# Altium PCB Bran_Main_Assay_PCB_v2.PcbDoc (part 12 of 15)
Units mil, origin at the board's own origin, x right, y up, seen from the top; angles counter-clockwise.
Board outline 3608.46 x 1899.79 mil, 6 copper layers (TOP, GND1, Singal, POWER, GND2, BOTTOM), stack 31.508 mil thick; 363 components, 288 nets, 1386 pads, 975 vias.
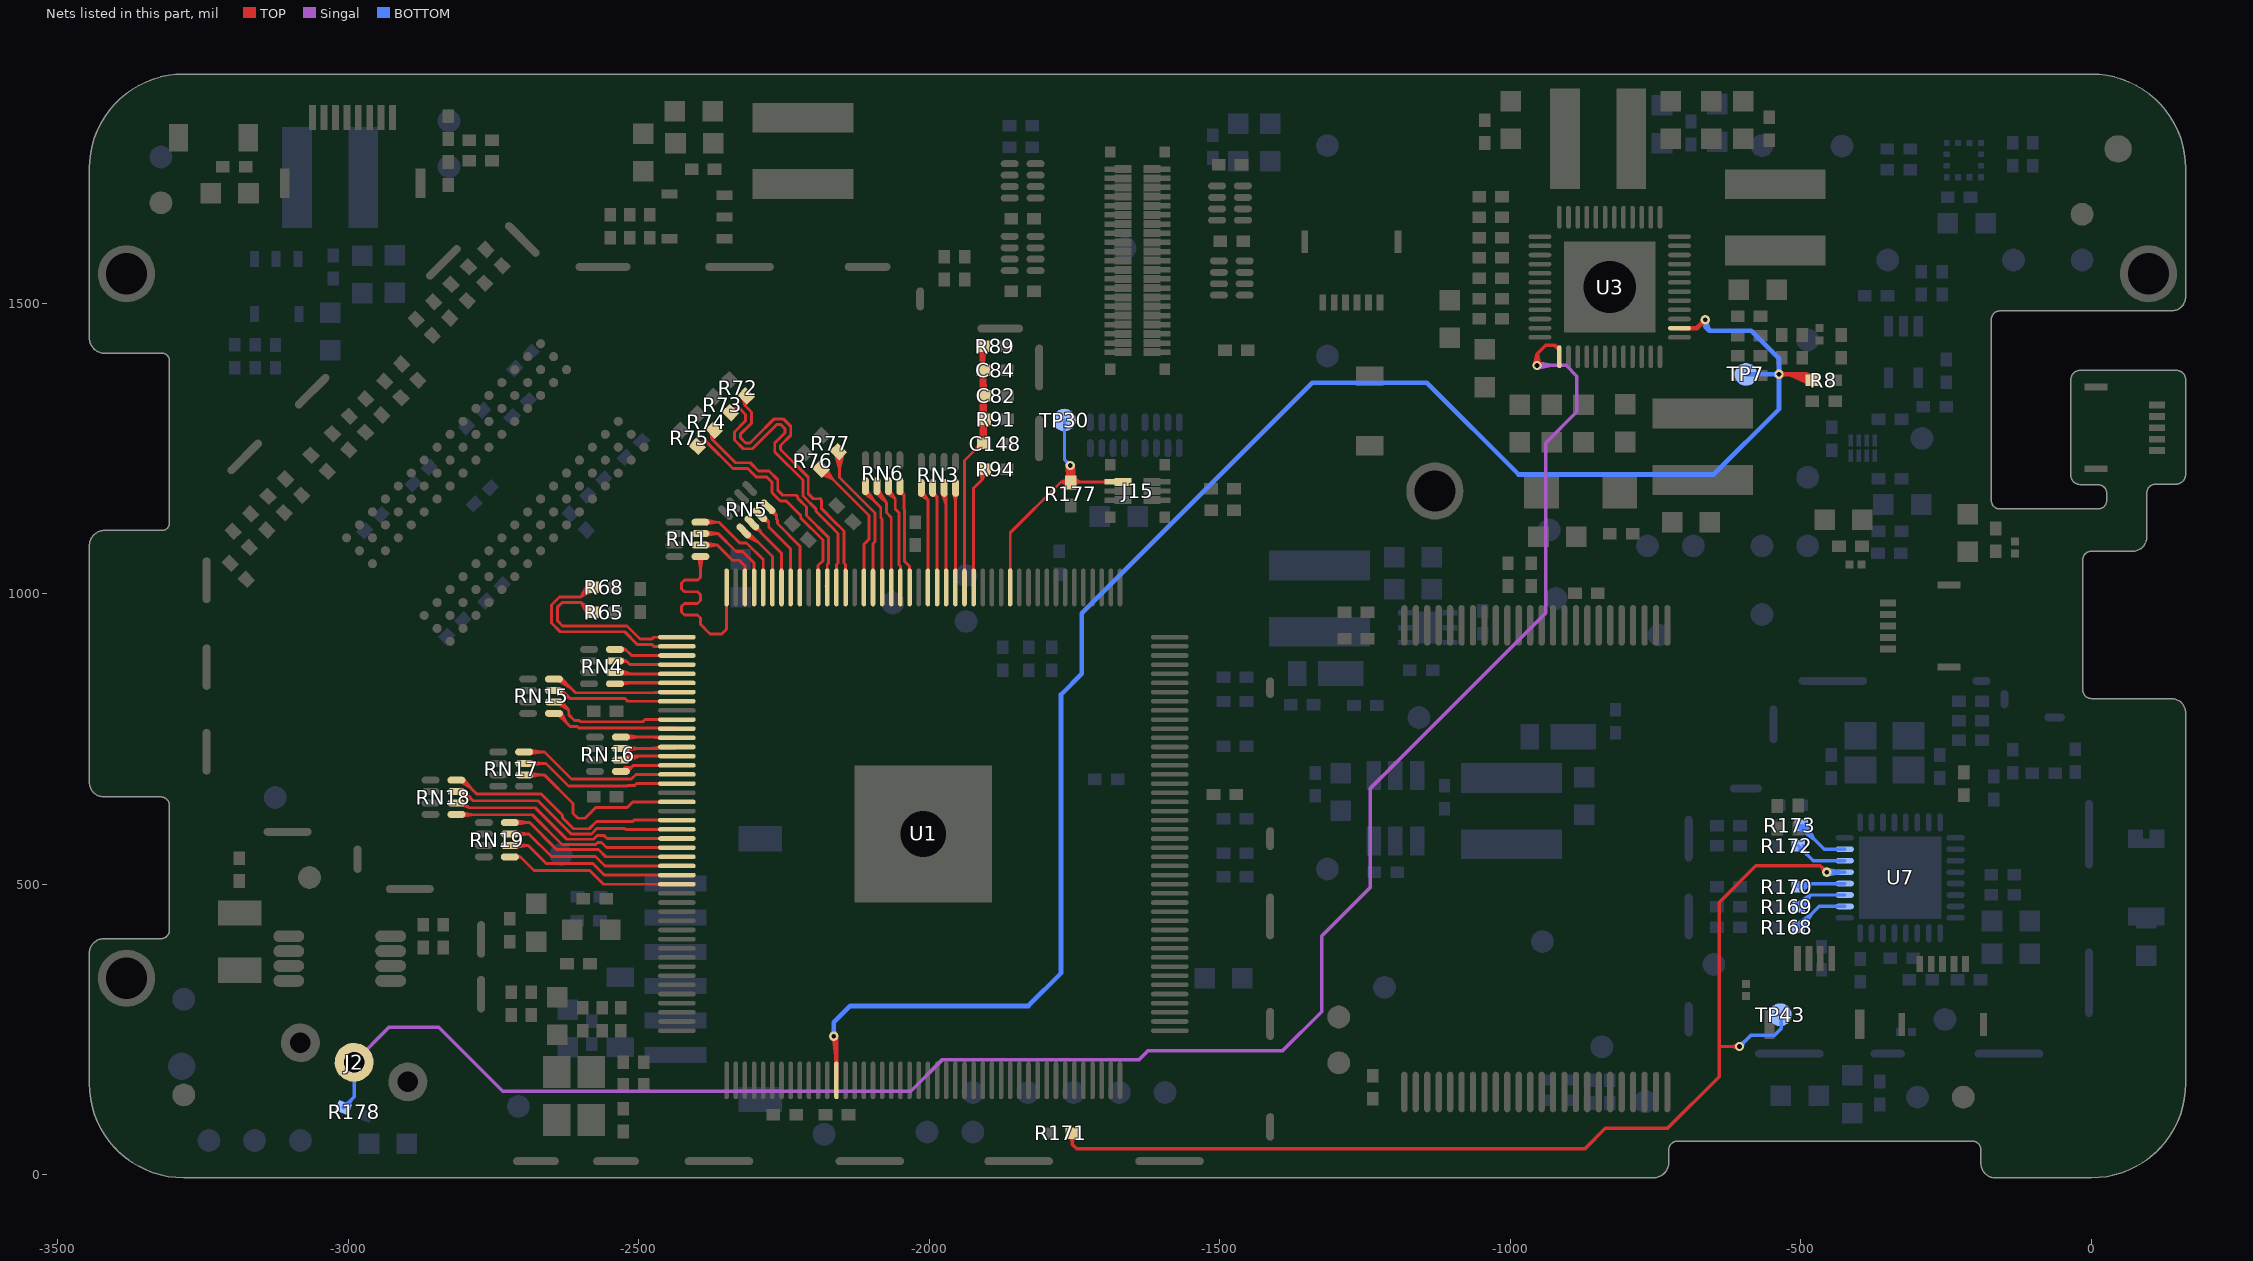
[diagram p16: the nets of this part, all layers, seen from the top]

## Via types
v1: diameter 16, hole 8, TOP to BOTTOM, tented both sides, 431 vias
v2: diameter 18, hole 10, TOP to BOTTOM, tented both sides, 257 vias
v3: diameter 22, hole 12, TOP to BOTTOM, tented both sides, 194 vias
v4: diameter 30, hole 18, TOP to BOTTOM, tented both sides, 69 vias
v5: diameter 24, hole 13, TOP to BOTTOM, tented both sides, 11 vias
v6: diameter 19.68, hole 7.87, TOP to BOTTOM, 9 vias
v7: diameter 22, hole 2, TOP to BOTTOM, tented both sides, 2 vias
v8: diameter 17.99, hole 10, TOP to BOTTOM, tented both sides, 1 vias
v9: diameter 20, hole 10, TOP to BOTTOM, tented both sides, 1 vias

## Nets (pads, with @x,y where several pads share a name; then routed paths per layer and width w, separated by ;. In a path a pad name is that pad's centre, name@x,y a point inside that pad or via, vN(x,y) a via of type N, cw(c..) or ccw(c..) an arc to the next point about the centre after c; other vN are vias at no path point) (continued)
SA1: RN15.7 U1.52 | length 358.9
  TOP w5: RN15.7@-2646.18,833.76 -2631.9,833.76 -2618.02,819.88 ; RN15.7@-2638.55,830.8 -2618.02,819.88 ; RN15.7@-2638.05,830.54 -2626.68,827.58 ; RN15.7@-2636.68,830.26 cw(c-2636.68,810.27) -2622.54,824.41 ; -2482.12,815.27 U1.52@-2463.18,815.27 ; U1.52@-2434.64,815.27 -2519.15,815.27 -2523.76,819.88 -2618.02,819.88 ; -2626.68,827.58 -2636.68,833.76 -2618.02,819.88 ; -2626.68,827.58 -2634.42,836.43 -2618.02,819.88
SA2: RN18.7 U1.66 | length 548.5
  TOP w5: RN18.7@-2814.18,659.76 -2801.27,659.76 -2785.47,643.96 -2673.51,643.96 -2616.35,586.81 -2581.83,586.81 -2572.11,596.52 -2524.58,596.52 -2522.85,594.79 U1.66@-2434.64,594.79 ; RN18.7@-2806.69,656.89 -2786.19,644.68 ; RN18.7@-2806.13,656.58 -2796.34,654.03 ; RN18.7@-2804.68,656.26 cw(c-2804.68,639.58) -2792.88,651.38 ; RN18.7@-2802.27,662.3 -2786.19,644.68 ; RN18.7@-2802.23,662.26 -2796.34,654.03 ; -2482.12,594.79 U1.66@-2463.18,594.79 ; -2796.34,654.03 -2804.68,659.76 -2786.19,644.68
SA3: RN18.8 U1.65 | length 544.1
  TOP w5: RN18.8@-2814.18,679.45 -2802.96,679.45 -2779.47,655.96 -2668.53,655.96 -2631.52,618.95 -2631.52,614.85 -2612.48,595.81 -2585.55,595.81 -2572.84,608.52 -2510.2,608.52 -2508.18,610.54 U1.65@-2434.64,610.54 ; RN18.8@-2806.81,676.68 -2787.79,664.29 ; RN18.8@-2806.27,676.34 -2798.38,674.26 ; RN18.8@-2804.68,675.95 cw(c-2804.68,663.35) -2795.77,672.26 ; RN18.8@-2802.15,681.87 -2787.79,664.29 ; RN18.8@-2801.93,681.61 -2798.38,674.26 ; -2482.12,610.54 U1.65@-2463.18,610.54 ; -2798.38,674.26 -2804.68,679.45 -2787.79,664.29
SA4: RN15.8 U1.51 | length 386.4
  TOP w5: RN15.8@-2646.18,853.45 -2632.5,853.45 -2608.93,829.88 U1.51@-2446.05,829.88 ; RN15.8@-2638.66,850.56 -2616.71,837.67 ; RN15.8@-2638.09,850.25 -2627.41,847.47 ; RN15.8@-2636.68,849.95 cw(c-2636.68,831.41) -2623.57,844.52 ; -2482.14,829.88 -2463.18,831.01 -2467.48,830.13 ; -2469.38,829.88 ccw(c-2469.38,837.2) U1.51@-2464.2,832.03 ; -2627.41,847.47 -2636.68,853.45 -2616.71,837.67 ; -2627.41,847.47 -2634.34,856.05 -2616.71,837.67 ; U1.51@-2446.05,829.88 -2444.92,831.01 U1.51@-2434.64,831.01 U1.51@-2446.05,829.88
SA5: RN18.6 U1.67 | length 515.8
  TOP w5: RN18.6@-2814.18,640.08 -2800.43,640.08 -2792.31,631.96 ; RN18.6@-2806.24,636.95 -2792.31,631.96 ; RN18.6@-2805.97,636.83 -2796.42,634.93 ; RN18.6@-2804.47,636.59 cw(c-2803.54,620.73) -2792.31,631.96 ; RN18.6@-2802.43,642.76 -2792.31,631.96 ; RN18.6@-2802.32,642.67 -2796.42,634.93 ; -2482.12,579.05 U1.67@-2463.18,579.05 ; U1.67@-2434.64,579.05 -2554.66,579.05 -2559.53,583.92 -2571.98,583.92 -2578.1,577.81 -2624.33,577.81 -2678.49,631.96 -2792.31,631.96 ; -2796.42,634.93 -2804.68,640.08 -2792.31,631.96
SA6: RN15.6 U1.54 | length 350.8
  TOP w5: RN15.6@-2646.18,814.08 -2634.59,814.08 -2620.69,800.18 ; RN15.6@-2638.75,811.26 -2620.69,800.18 ; RN15.6@-2638.24,810.95 -2629.93,808.77 ; RN15.6@-2636.68,810.58 cw(c-2636.68,797.09) -2627.14,806.63 ; RN15.6@-2634.17,816.52 -2620.69,800.18 ; RN15.6@-2634,816.33 -2629.93,808.77 ; -2482.12,783.77 U1.54@-2463.18,783.77 ; U1.54@-2434.64,783.77 -2489.65,783.77 -2493.39,780.03 -2600.24,780.03 -2602.37,782.16 -2610.82,782.16 -2620.69,792.03 -2620.69,800.18 ; -2629.93,808.77 -2636.68,814.08 -2620.69,800.18
SA7: RN19.6 U1.71 | length 441.5
  TOP w5: RN19.6@-2722.18,567.08 -2690.59,567.08 -2659.43,535.92 -2579.45,535.92 -2559.58,516.05 U1.71@-2434.64,516.05 ; RN19.6@-2712.39,563.59 -2691.68,567.08 ; RN19.6@-2712.39,570.57 -2691.68,567.08 ; RN19.6@-2711.86,563.68 -2706.42,566.79 ; RN19.6@-2711.86,570.48 -2706.42,567.37 ; RN19.6@-2711.55,563.77 -2706.42,567.37 ; RN19.6@-2711.55,570.39 -2706.42,566.79 ; RN19.6@-2710.2,564.61 cw(c-2704.23,558.63) -2704.23,567.08 cw(c-2704.23,575.53) RN19.6@-2710.2,569.56 ; -2482.12,516.05 U1.71@-2463.18,516.05 ; RN19.6@-2712.68,567.08 -2706.42,567.37 ; RN19.6@-2712.68,567.08 -2706.42,566.79 ; RN19.6@-2712.68,567.08 -2691.68,567.08
SA8: RN15.5 U1.55 | length 368.3
  TOP w5: RN15.5@-2639.29,792.06 -2624.61,778.26 ; RN15.5@-2639.27,792.03 -2630.73,785.27 ; RN15.5@-2633.7,796.24 -2624.61,778.26 ; RN15.5@-2633.48,795.81 -2630.73,785.27 ; RN15.5@-2633.18,794.39 ccw(c-2614.93,794.39) -2627.83,781.49 ; -2482.13,769.08 -2463.18,768.02 -2467.37,768.84 ; -2469.21,769.08 cw(c-2469.21,762) U1.55@-2464.2,767.01 ; U1.55@-2434.64,768.02 -2435.7,769.08 -2603.44,769.08 -2606.52,772.16 -2618.51,772.16 RN15.5@-2637.28,790.93 ; RN15.5@-2637.28,790.93 RN15.5@-2646.18,794.39 -2642.73,790.93 RN15.5@-2637.28,790.93 ; -2630.73,785.27 -2636.68,794.39 -2624.61,778.26
SA9: RN19.8 U1.69 | length 444.9
  TOP w5: RN19.8@-2722.18,606.45 -2687.96,606.45 -2641.31,559.81 -2570.64,559.81 -2570.53,559.92 -2569.49,559.92 -2557.12,547.55 U1.69@-2434.64,547.55 ; RN19.8@-2712.39,602.96 -2691.68,606.45 ; RN19.8@-2712.39,609.94 -2691.68,606.45 ; RN19.8@-2711.86,603.05 -2706.42,606.16 ; RN19.8@-2711.86,609.85 -2706.42,606.74 ; RN19.8@-2711.55,603.14 -2706.42,606.74 ; RN19.8@-2711.55,609.76 -2706.42,606.16 ; RN19.8@-2710.2,603.98 cw(c-2704.23,598) -2704.23,606.45 cw(c-2704.23,614.9) RN19.8@-2710.2,608.93 ; -2482.12,547.55 U1.69@-2463.18,547.55 ; RN19.8@-2712.68,606.45 -2706.42,606.74 ; RN19.8@-2712.68,606.45 -2706.42,606.16 ; RN19.8@-2712.68,606.45 -2691.68,606.45
SA10: RN4.7 U1.48 | length 208.3
  TOP w5: RN4.7@-2541.18,884.76 -2521.93,884.76 ; RN4.7@-2531.05,881.32 -2521.93,884.76 ; RN4.7@-2531.05,888.2 -2521.93,884.76 ; RN4.7@-2530.86,881.36 -2525.42,884.47 ; RN4.7@-2530.86,888.16 -2525.42,885.05 ; RN4.7@-2530.55,881.45 -2525.42,885.05 ; RN4.7@-2530.55,888.07 -2525.42,884.47 ; RN4.7@-2529.2,882.29 cw(c-2523.23,876.31) -2523.23,884.76 cw(c-2523.23,893.21) RN4.7@-2529.2,887.24 ; -2482.12,878.26 U1.48@-2463.18,878.26 ; U1.48@-2434.64,878.26 -2515.43,878.26 -2521.93,884.76 ; RN4.7@-2531.68,884.76 -2525.42,885.05 ; RN4.7@-2531.68,884.76 -2525.42,884.47 ; RN4.7@-2531.68,884.76 -2521.93,884.76
SA11: RN16.8 U1.56 | length 240.7
  TOP w5: RN16.8@-2531.09,753.57 -2435.94,753.57 U1.56@-2434.64,752.27 ; RN16.8@-2521.3,750.08 -2500.59,753.57 ; RN16.8@-2521.3,757.06 -2500.59,753.57 ; RN16.8@-2520.77,750.17 -2515.33,753.28 ; RN16.8@-2520.77,756.97 -2515.33,753.86 ; RN16.8@-2520.46,750.26 -2515.33,753.86 ; RN16.8@-2520.46,756.88 -2515.33,753.28 ; RN16.8@-2519.11,751.1 cw(c-2513.14,745.12) -2513.14,753.57 cw(c-2513.14,762.02) RN16.8@-2519.11,756.05 ; -2482.13,753.57 -2463.18,752.27 -2467.74,753.3 ; -2469.79,753.57 cw(c-2469.79,745.67) U1.56@-2464.2,751.26 ; RN16.8@-2521.59,753.57 -2515.33,753.86 ; RN16.8@-2521.59,753.57 -2515.33,753.28 ; RN16.8@-2521.59,753.57 -2500.59,753.57
SA12: RN4.5 U1.50 | length 170
  TOP w6: RN4.5@-2541.18,845.39 -2539.82,846.76 U1.50@-2434.64,846.76 ; RN4.5@-2529.56,843.27 cw(c-2521.13,834.84) -2521.13,846.76 ; -2524.21,846.36 -2531.68,845.39 -2507.63,846.76 ; -2485.12,846.76 U1.50@-2463.18,846.76
SA13: RN18.5 U1.68 | length 521.8
  TOP w5: RN18.5@-2814.18,620.39 -2813.76,619.96 -2683.47,619.96 -2632.31,568.81 -2574.37,568.81 -2571.26,571.92 -2564.51,571.92 -2555.89,563.3 U1.68@-2434.64,563.3 ; RN18.5@-2804.46,616.9 -2783.67,619.96 ; RN18.5@-2804.32,623.87 -2783.67,619.96 ; RN18.5@-2803.84,616.99 -2797.76,620.3 ; RN18.5@-2803.75,623.77 -2797.76,620.3 ; RN18.5@-2802.2,617.92 cw(c-2797.27,612.98) -2797.27,619.96 ; RN18.5@-2802.2,622.87 ccw(c-2795.19,629.88) -2795.19,619.96 ; -2482.12,563.3 U1.68@-2463.18,563.3 ; -2797.76,620.3 -2804.68,620.39 -2783.67,619.96
SA14: RN16.7 U1.57 | length 247.4
  TOP w5: RN16.7@-2531.09,733.88 -2437.29,733.88 U1.57@-2434.64,736.53 ; RN16.7@-2521.3,730.39 -2500.59,733.88 ; RN16.7@-2521.3,737.37 -2500.59,733.88 ; RN16.7@-2520.77,730.48 -2515.33,733.59 ; RN16.7@-2520.77,737.28 -2515.33,734.17 ; RN16.7@-2520.46,730.57 -2515.33,734.17 ; RN16.7@-2520.46,737.19 -2515.33,733.59 ; RN16.7@-2519.11,731.41 cw(c-2513.14,725.43) -2513.14,733.88 cw(c-2513.14,742.33) RN16.7@-2519.11,736.36 ; -2482.17,733.88 -2463.18,736.53 -2469.81,734.31 ; -2473.05,733.88 ccw(c-2473.05,746.39) U1.57@-2464.2,737.55 ; RN16.7@-2521.59,733.88 -2515.33,734.17 ; RN16.7@-2521.59,733.88 -2515.33,733.59 ; RN16.7@-2521.59,733.88 -2500.59,733.88
SBA0: RN17.6 U1.63 | length 448.3
  TOP w5: RN17.6@-2697.55,688.66 -2663.05,688.66 -2613.52,639.13 -2613.52,622.3 -2605.02,613.81 -2593.01,613.81 -2574.3,632.52 -2520.17,632.52 -2510.65,642.04 U1.63@-2434.64,642.04 ; RN17.6@-2687.76,685.17 -2667.05,688.66 ; RN17.6@-2687.76,692.15 -2667.05,688.66 ; RN17.6@-2687.23,685.26 -2681.79,688.37 ; RN17.6@-2687.23,692.06 -2681.79,688.95 ; RN17.6@-2686.92,685.35 -2681.79,688.95 ; RN17.6@-2686.92,691.97 -2681.79,688.37 ; RN17.6@-2685.57,686.19 cw(c-2679.6,680.21) -2679.6,688.66 cw(c-2679.6,697.11) RN17.6@-2685.57,691.14 ; -2482.12,642.04 U1.63@-2463.18,642.04 ; RN17.6@-2688.05,688.66 -2667.05,688.66 ; RN17.6@-2688.05,688.66 -2681.79,688.95 ; RN17.6@-2688.05,688.66 -2681.79,688.37
SBA1: RN4.6 U1.49 | length 262.4
  TOP w5: RN4.6@-2541.18,865.08 -2538.03,861.92 U1.49@-2451.95,861.92 ; RN4.6@-2530.88,868.49 -2510.41,861.92 ; RN4.6@-2530.39,868.34 -2520.58,862.58 ; RN4.6@-2529.2,867.56 ccw(c-2515.6,881.16) -2515.6,861.92 ; -2482.12,861.92 U1.49@-2463.18,862.51 ; -2468.07,861.92 ccw(c-2468.07,867.4) U1.49@-2464.2,863.53 ; -2520.58,862.58 -2531.68,865.08 -2510.41,861.92 ; -2520.58,862.58 -2531.91,861.59 -2510.41,861.92 ; U1.49@-2451.95,861.92 -2451.36,862.51 U1.49@-2434.64,862.51 U1.49@-2451.95,861.92
SBA2: RN17.7 U1.61 | length 413.5
  TOP w5: RN17.7@-2697.55,708.34 -2659.83,708.34 -2620.99,669.5 -2519.53,669.5 -2518.46,670.57 -2506.94,670.57 -2503.98,673.53 U1.61@-2434.64,673.53 ; RN17.7@-2687.76,704.85 -2667.05,708.34 ; RN17.7@-2687.76,711.83 -2667.05,708.34 ; RN17.7@-2687.23,704.94 -2681.79,708.05 ; RN17.7@-2687.23,711.74 -2681.79,708.63 ; RN17.7@-2686.92,705.03 -2681.79,708.63 ; RN17.7@-2686.92,711.65 -2681.79,708.05 ; RN17.7@-2685.57,705.87 cw(c-2679.6,699.89) -2679.6,708.34 cw(c-2679.6,716.79) RN17.7@-2685.57,710.82 ; -2482.12,673.53 U1.61@-2463.18,673.53 ; RN17.7@-2688.05,708.34 -2667.05,708.34 ; RN17.7@-2688.05,708.34 -2681.79,708.63 ; RN17.7@-2688.05,708.34 -2681.79,708.05
SCAS: RN16.5 U1.59 | length 195.9
  TOP w5: RN16.5@-2531.09,694.51 -2524.42,701.19 ; RN16.5@-2523.26,697.58 -2512.99,701.19 ; RN16.5@-2519.03,692.13 -2512.99,701.19 ; -2482.12,705.03 U1.59@-2463.18,705.03 ; U1.59@-2434.64,705.03 -2509.15,705.03 -2512.99,701.19 ; -2524.42,701.19 RN16.5@-2521.59,694.51 ; -2524.42,701.19 -2518.79,696.61 -2524.42,701.19 ; -2524.42,701.19 -2525.05,693.96 -2524.42,701.19 ; -2524.42,701.19 RN16.5@-2521.59,694.51 ; -2524.42,701.19 -2512.99,701.19 ; RN16.5@-2521.59,694.51 -2512.99,701.19
SCK: R65.2 U1.45 | length 460.1
  TOP w5: -2595.7,981.48 ccw(c-2582.46,994.7) R65.2@-2582.47,975.99 ; -2594.72,980.5 cw(c-2606.56,968.66) R65.2@-2589.81,968.65 ; R65.2@-2588.97,965.22 -2591.82,978.5 ; R65.2@-2588.37,964.27 -2599.14,984.92 ; R65.2@-2582.87,968.65 -2599.14,984.92 ; R65.2@-2578.71,974.96 -2591.82,978.5 ; R65.2@-2578.24,974.65 -2599.14,984.92 ; U1.45@-2463.18,925.5 -2474.29,925.5 ; U1.45@-2434.64,925.5 -2474.29,925.5 ; -2599.14,984.92 -2582.47,968.65 -2591.82,978.5 ; -2599.14,984.92 -2632.43,984.92 -2640.43,976.92 -2640.43,954.07 -2631.28,944.92 -2520.28,944.92 -2497.99,922.63 -2477.16,922.63 -2474.29,925.5
SCK-N: R68.2 U1.46 | length 454.6
  TOP w5: -2595.68,998.85 cw(c-2582.48,985.66) R68.2@-2582.48,1004.32 ; -2594.74,999.79 ccw(c-2606.62,1011.66) R68.2@-2589.82,1011.66 ; R68.2@-2588.36,1016.06 -2599.61,994.92 ; R68.2@-2582.88,1011.65 -2599.61,994.92 ; R68.2@-2582.48,1011.66 -2599.61,994.92 ; R68.2@-2578.22,1005.69 -2599.61,994.92 ; U1.46@-2463.18,909.75 -2474.28,909.75 ; U1.46@-2434.64,909.75 -2474.28,909.75 ; -2599.61,994.92 -2636.58,994.92 -2650.43,981.07 -2650.43,949.92 -2635.43,934.92 -2524.43,934.92 -2502.14,912.63 -2477.16,912.63 -2474.28,909.75
SCKE: RN4.8 U1.47 | length 207.1
  TOP w5: RN4.8@-2541.18,904.45 -2522.87,904.45 ; RN4.8@-2530.98,901.02 -2522.87,904.45 ; RN4.8@-2530.98,907.88 -2522.87,904.45 ; RN4.8@-2530.86,901.05 -2525.42,904.16 ; RN4.8@-2530.86,907.85 -2525.42,904.74 ; RN4.8@-2530.55,901.14 -2525.42,904.74 ; RN4.8@-2530.55,907.76 -2525.42,904.16 ; RN4.8@-2529.2,901.98 cw(c-2523.23,896) -2523.23,904.45 cw(c-2523.23,912.9) RN4.8@-2529.2,906.93 ; -2482.12,894.01 U1.47@-2463.18,894.01 ; U1.47@-2434.64,894.01 -2512.43,894.01 -2522.87,904.45 ; RN4.8@-2531.68,904.45 -2525.42,904.74 ; RN4.8@-2531.68,904.45 -2525.42,904.16 ; RN4.8@-2531.68,904.45 -2522.87,904.45
SD_CLK_1: R171.2 TP43.1 U7.21 | length 2223.8
  TOP w6: R171.2@-1760.43,70.39 -1754.34,59.76 ; R171.2@-1760.26,69.79 -1753.22,59.76 ; R171.2@-1758.62,67.16 cw(c-1770.3,55.48) -1753.78,55.48 cw(c-1737.26,55.48) R171.2@-1748.94,67.16 ; R171.2@-1747.3,69.79 -1754.34,59.76 ; R171.2@-1747.13,70.39 -1753.22,59.76 ; v1@-609,217.46 ccw(c-617.54,208.93) -617.54,221 ccw(c-617.54,233.07) v1@-609,224.54 ; v1(-605.46,221) -640.46,221 ; v1@-460.46,521 ccw(c-472.54,521) -464,529.54 ccw(c-455.46,538.07) v1@-455.46,526 ; v1(-455.46,521) -466.46,532 -577.29,532 -640.46,468.83 -640.46,221 ; -1754.34,59.76 R171.2@-1753.78,72 ; R171.2@-1753.78,72 -1753.22,59.76 ; R171.2@-1753.78,72 -1753.78,52.31 -1746.46,45 -871.46,45 -836.46,80 -729.46,80 -640.46,169 -640.46,221
  BOTTOM w6: v1(-605.46,221) -586.46,240 -545.46,240 -533.46,252 -533.46,273.62 TP43.1@-535.43,275.59 ; v1@-605.46,226 ccw(c-605.46,238.07) -596.93,229.54 ccw(c-588.39,221) v1@-600.46,221 ; v1@-454.98,516.02 -429.46,521 v1@-454.98,525.98 ; v1@-454.88,525.97 U7.21@-435.32,521.15 ; v1@-454.81,516.04 U7.21@-435.32,521.15 ; v1@-454.29,516.14 -446.52,520.59 ; v1@-454.29,525.86 -446.52,521.41 ; v1@-453.85,516.27 -446.52,521.41 ; v1@-453.85,525.73 -446.52,520.59 ; v1@-451.93,517.46 cw(c-443.39,508.93) -443.39,521 cw(c-443.39,533.07) v1@-451.93,524.54 ; -440.31,521 ccw(c-440.31,526.15) U7.21@-436.67,522.51 ; U7.21@-424.49,521.15 -424.64,521 v1(-455.46,521) ; v1(-455.46,521) -446.52,521.41 ; v1(-455.46,521) -446.52,520.59 ; v1(-455.46,521) U7.21@-435.32,521.15
SD_CMD_1: R170.2 U7.20 | length 208.7
  BOTTOM w6: R170.2@-504.33,496.31 -499.17,501.46 U7.20@-424.49,501.46 ; R170.2@-502.56,503.15 -482.22,500.3 ; R170.2@-502.36,496.31 -482.22,500.3 ; R170.2@-501.77,495.71 cw(c-487.88,481.82) -487.88,501.46 ; R170.2@-499.93,489.91 -482.22,500.3 ; R170.2@-497.52,491.47 cw(c-473.39,467.34) -473.39,501.46 ; -458.24,501.46 U7.20@-435.32,501.46
SD_D0_1: R172.2 U7.22 | length 139.3
  BOTTOM w6: R172.2@-504.33,566.31 -478.86,540.83 U7.22@-424.49,540.83 ; R172.2@-502.36,559.46 cw(c-502.36,547.7) -494.04,556.02 ; R172.2@-495.52,566.31 ccw(c-474.25,566.31) -489.29,551.27 ; -458.24,540.83 U7.22@-435.32,540.83
SD_D1_1: R173.2 U7.23 | length 284
  BOTTOM w6: R173.2@-504.33,601.31 -500.35,601.31 -499.99,600.95 -459.57,560.52 U7.23@-424.49,560.52 ; R173.2@-502.08,596.52 -477.56,578.51 ; R173.2@-501.6,596.12 -487.35,589.47 ; R173.2@-497.43,594.7 cw(c-497.43,585.81) R173.2@-491.14,592.09 ; R173.2@-491.78,605.4 -477.56,578.51 ; R173.2@-491.35,604.68 -487.35,589.47 ; R173.2@-490.59,601.54 ccw(c-466.44,601.54) -483.52,584.47 ; -458.24,560.52 U7.23@-435.32,560.52 ; -487.35,589.47 -497.43,601.54 -477.56,578.51
SD_D2_1: R168.2 U7.18 | length 278.4
  BOTTOM w6: R168.2@-506.87,431.46 -481.76,448.88 ; R168.2@-506.18,431.99 -492.67,436.94 ; R168.2@-504.33,426.31 -468.54,462.09 U7.18@-424.49,462.09 ; R168.2@-502.36,433.15 ccw(c-502.36,444.92) -494.04,436.6 ; R168.2@-496.82,422.29 -481.76,448.88 ; R168.2@-496.35,423.03 -492.67,436.94 ; R168.2@-495.52,426.31 cw(c-474.25,426.31) -489.29,441.35 ; -458.24,462.09 U7.18@-435.32,462.09 ; -492.67,436.94 -502.36,426.31 -481.76,448.88
SD_D3_1: R169.2 U7.19 | length 263.1
  BOTTOM w6: R169.2@-506.83,466.49 -483.86,481.78 ; R169.2@-506.18,466.99 -492.67,471.94 ; R169.2@-504.33,461.31 -483.86,481.78 ; R169.2@-502.36,468.15 ccw(c-502.36,479.92) -494.04,471.6 ; R169.2@-496.76,457.38 -483.86,481.78 ; R169.2@-496.35,458.03 -492.67,471.94 ; R169.2@-495.52,461.31 cw(c-474.25,461.31) -489.29,476.35 ; -458.24,481.78 U7.19@-435.32,481.78 ; U7.19@-424.49,481.78 -483.86,481.78 ; -492.67,471.94 -502.36,461.31 -483.86,481.78
SDQ0: RN3.5 U1.22 | length 259.6
  TOP w5: RN3.5@-2016.18,1170.46 -2002.08,1161.13 ; RN3.5@-2013.96,1169.66 cw(c-2013.96,1161.57) -2008.24,1167.29 ; RN3.5@-2013.96,1173.16 -2002.08,1161.13 ; RN3.5@-2013.96,1182.66 -2013.96,1173.01 -2002.08,1161.13 ; RN3.5@-2011.23,1175.35 -2002.08,1161.13 ; RN3.5@-2010.46,1173.16 ccw(c-2001.65,1173.16) -2007.88,1166.93 ; U1.22@-2002.56,1011.13 -2002.56,1144.07 -2002.08,1144.55 -2002.08,1161.13 ; U1.22@-2002.56,1039.68 -2002.56,1058.61
SDQ1: RN1.8 U1.40 | length 315.6
  TOP w5: RN1.8@-2394.18,1123.45 -2361.96,1123.45 -2326.43,1087.92 -2314.87,1087.92 -2286.02,1059.07 U1.40@-2286.02,1011.13 ; RN1.8@-2384.39,1119.96 -2363.68,1123.45 ; RN1.8@-2384.39,1126.94 -2363.68,1123.45 ; RN1.8@-2383.86,1120.05 -2378.42,1123.16 ; RN1.8@-2383.86,1126.85 -2378.42,1123.74 ; RN1.8@-2383.55,1120.14 -2378.42,1123.74 ; RN1.8@-2383.55,1126.76 -2378.42,1123.16 ; RN1.8@-2382.2,1120.98 cw(c-2376.23,1115) -2376.23,1123.45 cw(c-2376.23,1131.9) RN1.8@-2382.2,1125.93 ; U1.40@-2286.02,1039.68 -2286.02,1058.61 ; RN1.8@-2384.68,1123.45 -2378.42,1123.74 ; RN1.8@-2384.68,1123.45 -2378.42,1123.16 ; RN1.8@-2384.68,1123.45 -2363.68,1123.45
SDQ2: RN3.6 U1.21 | length 232.6
  TOP w5: RN3.6@-1995.91,1170.07 -1987.08,1167.35 ; RN3.6@-1994.27,1173.16 -1987.08,1167.35 ; RN3.6@-1994.27,1182.66 -1994.27,1174.54 -1987.08,1167.35 ; RN3.6@-1993.85,1169.69 cw(c-1992.86,1161.57) -1987.08,1167.35 ; RN3.6@-1991.59,1175.42 -1987.08,1167.35 ; RN3.6@-1990.77,1173.16 ccw(c-1985.65,1173.16) -1989.27,1169.54 ; -1986.89,1058.61 U1.21@-1986.81,1039.68 ; U1.21@-1986.81,1011.13 -1987.08,1160.01 -1987.08,1167.35
SDQ3: RN1.7 U1.41 | length 283.5
  TOP w5: RN1.7@-2394.18,1103.76 -2363.49,1103.76 -2332.64,1072.91 -2321.08,1072.91 -2301.77,1053.6 ; RN1.7@-2384.39,1100.27 -2363.68,1103.76 ; RN1.7@-2384.39,1107.25 -2363.68,1103.76 ; RN1.7@-2383.86,1100.36 -2378.42,1103.47 ; RN1.7@-2383.86,1107.16 -2378.42,1104.05 ; RN1.7@-2383.55,1100.45 -2378.42,1104.05 ; RN1.7@-2383.55,1107.07 -2378.42,1103.47 ; RN1.7@-2382.2,1101.29 cw(c-2376.23,1095.31) -2376.23,1103.76 cw(c-2376.23,1112.21) RN1.7@-2382.2,1106.24 ; U1.41@-2301.77,1011.13 -2301.77,1053.6 ; U1.41@-2301.77,1039.68 -2301.77,1053.6 ; RN1.7@-2384.68,1103.76 -2378.42,1104.05 ; RN1.7@-2384.68,1103.76 -2378.42,1103.47 ; RN1.7@-2384.68,1103.76 -2363.68,1103.76
SDQ4: RN3.8 U1.19 | length 261
  TOP w5: RN3.8@-1958.38,1172.79 -1955.31,1160.61 ; RN3.8@-1958.27,1172.22 -1954.89,1166.63 ; RN3.8@-1957.42,1170.73 cw(c-1963.07,1165.29) -1955.22,1165.14 ; U1.19@-1955.31,1011.13 -1955.31,1160.61 ; U1.19@-1955.31,1039.68 -1955.31,1058.61 ; -1955.24,1164.29 cw(c-1946.19,1164.12) RN3.8@-1952.47,1170.64 ; RN3.8@-1954.9,1182.66 -1955.31,1160.61 ; RN3.8@-1951.52,1172.23 -1954.89,1166.63 ; RN3.8@-1951.45,1172.56 -1955.31,1160.61 ; -1955.31,1160.61 -1954.9,1173.16 -1954.89,1166.63
SDQ5: RN1.5 U1.44 | length 482.5
  TOP w5: RN1.5@-2397.67,1064.1 -2394.18,1043.39 ; RN1.5@-2397.58,1063.57 -2394.47,1058.13 ; RN1.5@-2397.49,1063.26 -2393.89,1058.13 ; RN1.5@-2396.65,1061.92 cw(c-2402.63,1055.94) -2394.18,1055.94 cw(c-2385.73,1055.94) RN1.5@-2391.7,1061.92 ; RN1.5@-2390.87,1063.26 -2394.47,1058.13 ; RN1.5@-2390.78,1063.57 -2393.89,1058.13 ; RN1.5@-2390.69,1064.1 -2394.18,1043.39 ; -2349.01,963.65 U1.44@-2349.01,982.59 ; U1.44@-2349.01,1011.13 -2349.01,939.34 -2357.43,930.92 -2377.43,930.92 -2394.19,947.68 -2394.19,958.68 -2399.19,963.68 -2421.43,963.68 -2426.43,968.68 -2426.43,978.68 -2421.43,983.68 -2399.19,983.68 -2394.19,988.68 -2394.19,998.68 -2399.19,1003.68 -2421.43,1003.68 -2426.43,1008.68 -2426.43,1018.68 -2421.43,1023.68 -2399.19,1023.68 -2394.19,1028.68 RN1.5@-2394.18,1064.39 ; -2394.47,1058.13 RN1.5@-2394.18,1064.39 ; -2394.18,1043.39 RN1.5@-2394.18,1064.39 ; RN1.5@-2394.18,1064.39 -2393.89,1058.13
SDQ6: RN3.7 U1.20 | length 403.1
  TOP w5: RN3.7@-1977.98,1172.31 -1971.06,1151.88 ; RN3.7@-1977.83,1171.85 -1971.76,1161.5 ; RN3.7@-1977.06,1170.69 cw(c-1991.56,1156.19) -1971.06,1156.19 ; RN3.7@-1974.92,1169.68 cw(c-1975.34,1165.42) -1971.06,1165.42 ; RN3.7@-1974.8,1169.67 cw(c-1974.97,1166.78) -1972.08,1166.78 ; RN3.7@-1973.53,1174.22 cw(c-1979.49,1168.26) -1971.06,1168.26 ; RN3.7@-1971.62,1171.3 ccw(c-1968.19,1169.14) -1971.06,1166.27 ; U1.20@-1971.06,1011.13 -1971.06,1064.18 -1971.43,1064.55 -1971.06,1085.66 -1971.06,1166.27 ; U1.20@-1971.06,1039.68 -1971.06,1058.61 ; RN3.7@-1974.59,1173.16 -1971.06,1151.88 ; RN3.7@-1974.59,1173.16 -1971.06,1166.27 ; RN3.7@-1974.59,1173.16 -1971.76,1161.5 ; RN3.7@-1974.59,1173.16 -1971.06,1166.27 ; RN3.7@-1974.59,1182.66 RN3.7@-1972.08,1173.57 ; RN3.7@-1974.59,1182.66 RN3.7@-1973.3,1174.8 ; RN3.7@-1974.59,1182.66 -1974.59,1176.08 RN3.7@-1973.3,1174.8 ; RN3.7@-1973.3,1174.8 RN3.7@-1972.08,1173.57 ; RN3.7@-1973.3,1174.8 -1972.08,1167.29 ; -1972.08,1167.29 -1971.06,1166.27 ; -1972.08,1167.29 RN3.7@-1972.08,1173.57 ; -1971.76,1161.5 -1971.1,1173.48 -1971.06,1151.88 ; -1971.06,1166.27 -1977.26,1170.9 -1971.06,1166.27 ; -1971.06,1166.27 -1971.19,1174.01 -1971.06,1166.27